# Altium PCB PCB.PcbDoc (part 3 of 5)
Units mm, origin at the board's own origin, x right, y up, seen from the top; angles counter-clockwise.
Board outline 68 x 45 mm, 4 copper layers (Component Side, Ground Layer, Power Layer, Solder Side), stack 0.856 mm thick; 113 components, 124 nets, 534 pads, 247 vias.
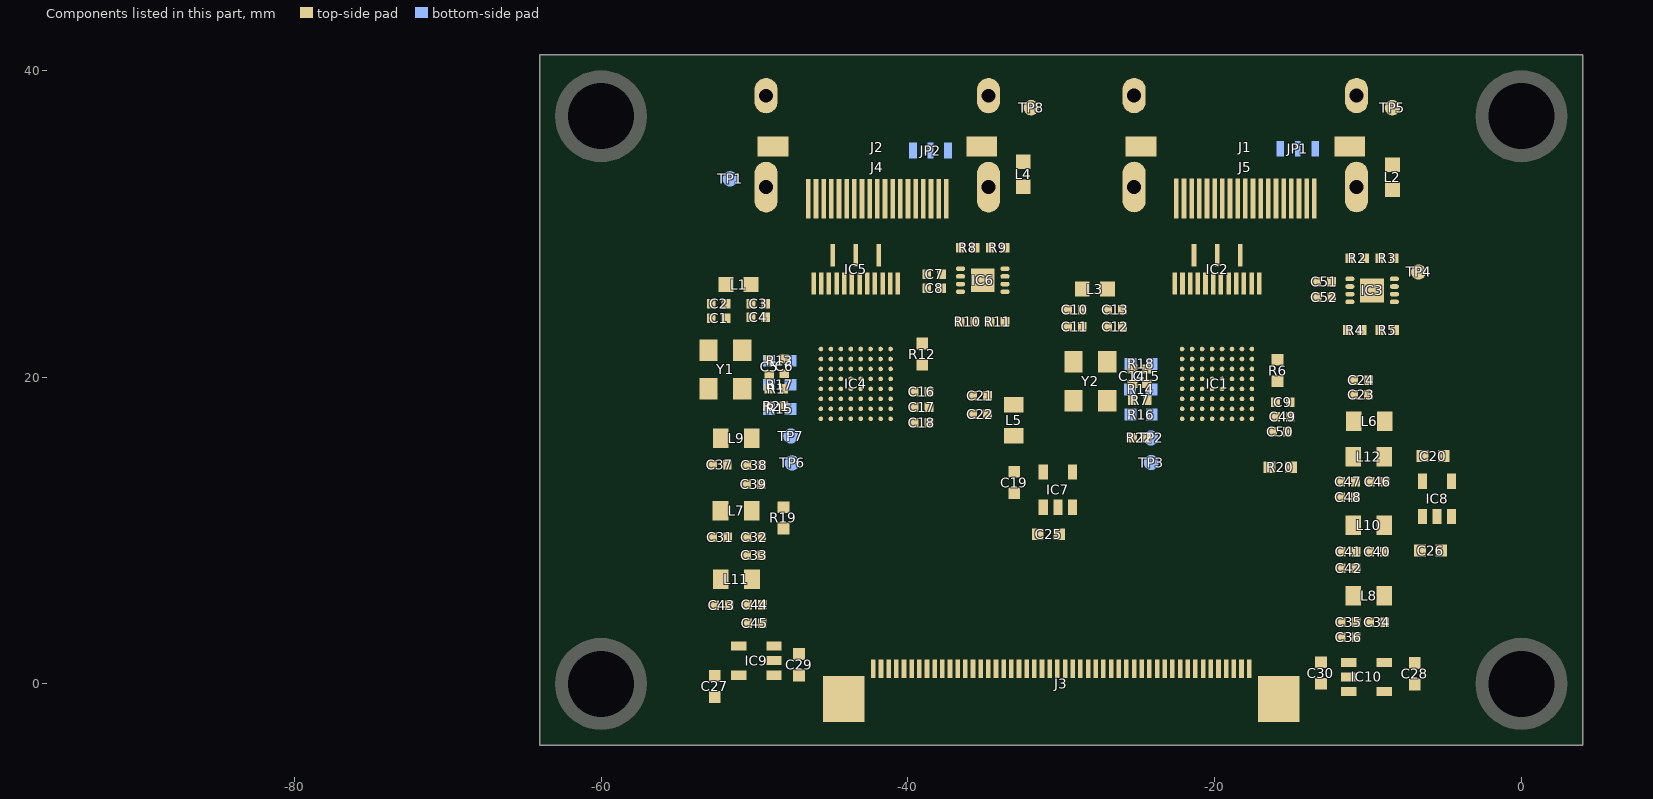
[diagram p5: the components of this part, seen from the top]

## Via types
v1: diameter 0.4, hole 0.15, Component Side to Solder Side, 247 vias

## Nets (pads, with @x,y where several pads share a name; then routed paths per layer and width w, separated by ;. In a path a pad name is that pad's centre, name@x,y a point inside that pad or via, vN(x,y) a via of type N, cw(c..) or ccw(c..) an arc to the next point about the centre after c; other vN are vias at no path point) (continued)
copper on no net: (continued)
  Component Side w0.009: -63.221,7.496 -63.221,8.239 ; -63.212,7.487 -63.212,8.249 ; -63.203,7.487 -63.203,8.249 ; -63.194,7.487 -63.194,8.249 ; -63.185,7.487 -63.185,8.249 ; -63.175,7.487 -63.175,8.249 ; -63.166,7.477 -63.166,8.258 ; -63.157,7.477 -63.157,8.258 ; -63.148,7.477 -63.148,8.258 ; -63.139,7.477 -63.139,8.258 ; -63.13,7.477 -63.13,8.258 ; -63.12,7.477 -63.12,8.258 ; -63.111,7.468 -63.111,8.267 ; -63.102,7.468 -63.102,8.267 ; -63.093,7.468 -63.093,8.267 ; -63.084,7.468 -63.084,8.267 ; -63.074,7.468 -63.074,8.267 ; -63.065,7.459 -63.065,8.276 ; -63.056,7.459 -63.056,8.276 ; -63.056,7.523 -63.056,8.212 ; -63.047,7.459 -63.047,8.276 ; -63.047,7.505 -63.047,8.23 ; -63.038,7.459 -63.038,8.276 ; -63.029,7.459 -63.029,8.276 ; -63.019,7.45 -63.019,8.285 ; -63.01,7.45 -63.01,8.285 ; -63.001,7.45 -63.001,8.285 ; -62.992,7.45 -62.992,8.285 ; -62.983,7.45 -62.983,8.285 ; -62.973,7.45 -62.973,8.285 ; -62.964,7.441 -62.964,8.295 ; -62.955,7.441 -62.955,8.295 ; -62.946,7.441 -62.946,8.295 ; -62.937,7.441 -62.937,8.295 ; -62.928,7.441 -62.928,8.295 ; -62.918,7.431 -62.918,8.304 ; -62.909,7.431 -62.909,8.304 ; -62.9,7.431 -62.9,8.304 ; -62.891,7.431 -62.891,8.304 ; -62.882,7.431 -62.882,8.304 ; -62.872,7.431 -62.872,8.313 ; -62.863,7.422 -62.863,8.313 ; -62.854,7.422 -62.854,8.313 ; -62.845,7.422 -62.845,8.313 ; -62.836,7.422 -62.836,8.313 ; -62.827,7.422 -62.827,8.313 ; -62.817,7.413 -62.817,8.322 ; -62.808,7.413 -62.808,8.322 ; -62.799,7.413 -62.799,8.322 ; -62.79,7.413 -62.79,8.322 ; -62.781,7.413 -62.781,8.322 ; -62.771,7.404 -62.771,8.331 ; -62.762,7.404 -62.762,8.331 ; -62.753,7.404 -62.753,8.331 ; -62.744,7.404 -62.744,8.331 ; -62.735,7.404 -62.735,8.331 ; -62.726,7.404 -62.726,8.331 ; -62.716,7.395 -62.716,8.34 ; -62.707,7.395 -62.707,8.34 ; -62.698,6.192 -62.698,6.238 ; -62.698,7.395 -62.698,8.34 ; -62.698,9.497 -62.698,9.543 ; -62.689,6.183 -62.689,6.256 ; -62.689,7.395 -62.689,8.34 ; -62.689,9.479 -62.689,9.552 ; -62.68,6.174 -62.68,6.265 ; -62.68,7.395 -62.68,8.34 ; -62.68,9.47 -62.68,9.562 ; -62.67,6.164 -62.67,6.284 ; -62.67,7.386 -62.67,8.35 ; -62.67,9.451 -62.67,9.571 ; -62.661,6.155 -62.661,6.293 ; -62.661,7.386 -62.661,8.35 ; -62.661,9.442 -62.661,9.58 ; -62.652,6.146 -62.652,6.311 ; -62.652,7.386 -62.652,8.35 ; -62.652,9.424 -62.652,9.589 ; -62.643,6.137 -62.643,6.32 ; -62.643,7.386 -62.643,8.35 ; -62.643,9.415 -62.643,9.598 ; -62.634,6.128 -62.634,6.33 ; -62.634,7.386 -62.634,8.35 ; -62.634,9.406 -62.634,9.608 ; -62.625,6.118 -62.625,6.348 ; -62.625,7.376 -62.625,8.359 ; -62.625,9.387 -62.625,9.617 ; -62.615,6.109 -62.615,6.357 ; -62.615,7.376 -62.615,8.359 ; -62.615,9.378 -62.615,9.626 ; -62.606,6.1 -62.606,6.376 ; -62.606,7.376 -62.606,8.359 ; -62.606,9.36 -62.606,9.635 ; -62.597,6.091 -62.597,6.385 ; -62.597,7.376 -62.597,8.359 ; -62.597,9.35 -62.597,9.644 ; -62.588,6.082 -62.588,6.403 ; -62.588,7.376 -62.588,8.359 ; -62.588,9.332 -62.588,9.653 ; -62.579,6.073 -62.579,6.412 ; -62.579,7.376 -62.579,8.359 ; -62.579,9.323 -62.579,9.663 ; -62.569,6.063 -62.569,6.431 ; -62.569,7.367 -62.569,8.368 ; -62.569,9.305 -62.569,9.672 ; -62.56,6.054 -62.56,6.44 ; -62.56,7.367 -62.56,8.368 ; -62.56,9.295 -62.56,9.681 ; -62.551,6.045 -62.551,6.458 ; -62.551,7.367 -62.551,8.368 ; -62.551,9.277 -62.551,9.69 ; -62.542,6.036 -62.542,6.467 ; -62.542,7.367 -62.542,8.368 ; -62.542,9.268 -62.542,9.699 ; -62.533,6.027 -62.533,6.477 ; -62.533,7.367 -62.533,8.368 ; -62.533,9.259 -62.533,9.709 ; -62.524,6.017 -62.524,6.495 ; -62.524,7.358 -62.524,8.377 ; -62.524,9.24 -62.524,9.718 ; -62.514,6.008 -62.514,6.504 ; -62.514,7.358 -62.514,8.377 ; -62.514,9.231 -62.514,9.727 ; -62.505,5.999 -62.505,6.522 ; -62.505,7.349 -62.505,8.386 ; -62.505,9.213 -62.505,9.736 ; -62.496,5.99 -62.496,6.532 ; -62.496,7.33 -62.496,8.405 ; -62.496,9.204 -62.496,9.745 ; -62.487,5.981 -62.487,6.55 ; -62.487,7.312 -62.487,8.423 ; -62.487,9.185 -62.487,9.754 ; -62.478,5.972 -62.478,6.559 ; -62.478,7.294 -62.478,8.441 ; -62.478,9.176 -62.478,9.764 ; -62.468,5.962 -62.468,6.578 ; -62.468,7.266 -62.468,8.469 ; -62.468,9.158 -62.468,9.773 ; -62.459,5.953 -62.459,6.587 ; -62.459,7.248 -62.459,8.487 ; -62.459,9.148 -62.459,9.782 ; -62.45,5.944 -62.45,6.605 ; -62.45,7.229 -62.45,8.506 ; -62.45,9.13 -62.45,9.791 ; -62.441,5.935 -62.441,6.614 ; -62.441,7.202 -62.441,8.533 ; -62.441,9.121 -62.441,9.8 ; -62.432,5.926 -62.432,6.633 ; -62.432,7.184 -62.432,8.552 ; -62.432,9.112 -62.432,9.81 ; -62.423,5.916 -62.423,6.642 ; -62.423,7.156 -62.423,8.579 ; -62.423,9.093 -62.423,9.819 ; -62.413,5.907 -62.413,6.651 ; -62.413,7.138 -62.413,8.598 ; -62.413,9.084 -62.413,9.828 ; -62.404,5.898 -62.404,6.669 ; -62.404,7.11 -62.404,8.625 ; -62.404,9.066 -62.404,9.837 ; -62.395,5.889 -62.395,6.679 ; -62.395,7.092 -62.395,8.643 ; -62.395,9.057 -62.395,9.846 ; -62.386,5.88 -62.386,6.697 ; -62.386,7.073 -62.386,8.671 ; -62.386,9.038 -62.386,9.855 ; -62.377,5.871 -62.377,6.706 ; -62.377,7.046 -62.377,8.689 ; -62.377,9.029 -62.377,9.865 ; -62.367,5.861 -62.367,6.724 ; -62.367,7.027 -62.367,8.708 ; -62.367,9.011 -62.367,9.874 ; -62.358,5.852 -62.358,6.734 ; -62.358,7 -62.358,8.735 ; -62.358,9.002 -62.358,9.883 ; -62.349,5.843 -62.349,6.752 ; -62.349,6.982 -62.349,8.754 ; -62.349,8.983 -62.349,9.892 ; -62.34,5.834 -62.34,6.761 ; -62.34,6.954 -62.34,8.781 ; -62.34,8.974 -62.34,9.901 ; -62.331,5.825 -62.331,6.78 ; -62.331,6.936 -62.331,8.8 ; -62.331,8.956 -62.331,9.911 ; -62.322,5.815 -62.322,6.789 ; -62.322,6.908 -62.322,8.827 ; -62.322,8.946 -62.322,9.92 ; -62.312,5.806 -62.312,6.798 ; -62.312,6.89 -62.312,8.845 ; -62.312,8.937 -62.312,9.929 ; -62.303,5.797 -62.303,6.816 ; -62.303,6.871 -62.303,8.864 ; -62.303,8.919 -62.303,9.938 ; -62.294,5.788 -62.294,9.947 ; -62.285,5.779 -62.285,9.956 ; -62.276,5.77 -62.276,9.966 ; -62.266,5.76 -62.266,9.975 ; -62.257,5.751 -62.257,9.984 ; -62.248,5.742 -62.248,9.993 ; -62.239,5.733 -62.239,10.002 ; -62.23,5.724 -62.23,10.012 ; -62.221,5.714 -62.221,10.021 ; -62.211,5.705 -62.211,10.03 ; -62.202,5.705 -62.202,10.03 ; -62.193,5.696 -62.193,10.039 ; -62.184,5.696 -62.184,10.039 ; -62.175,5.705 -62.175,10.03 ; -62.165,5.705 -62.165,10.03 ; -62.156,5.714 -62.156,10.021 ; -62.147,5.724 -62.147,10.012 ; -62.138,5.724 -62.138,10.012 ; -62.129,5.733 -62.129,10.002 ; -62.12,5.742 -62.12,9.993 ; -62.11,5.742 -62.11,9.993 ; -62.101,5.751 -62.101,9.984 ; -62.092,5.76 -62.092,9.975 ; -62.083,5.76 -62.083,9.975 ; -62.074,5.77 -62.074,9.966 ; -62.064,5.779 -62.064,9.956 ; -62.055,5.779 -62.055,9.956 ; -62.046,5.788 -62.046,9.947 ; -62.037,5.797 -62.037,9.938 ; -62.028,5.797 -62.028,9.938 ; -62.019,5.806 -62.019,9.929 ; -62.009,5.815 -62.009,9.92 ; -62,5.825 -62,9.911 ; -61.991,5.825 -61.991,9.911 ; -61.982,5.834 -61.982,9.901 ; -61.973,5.843 -61.973,9.892 ; -61.963,5.843 -61.963,9.892 ; -61.954,5.852 -61.954,9.883 ; -61.945,5.861 -61.945,9.874 ; -61.936,5.861 -61.936,9.874 ; -61.927,5.871 -61.927,9.865 ; -61.918,5.88 -61.918,9.855 ; -61.908,5.88 -61.908,9.855 ; -61.899,5.889 -61.899,9.846 ; -61.89,5.898 -61.89,9.837 ; -61.881,5.898 -61.881,9.837 ; -61.872,5.907 -61.872,9.828 ; -61.862,5.916 -61.862,9.819 ; -61.853,5.916 -61.853,9.819 ; -61.844,5.926 -61.844,9.81 ; -61.835,5.935 -61.835,9.8 ; -61.826,5.944 -61.826,9.791 ; -61.817,5.944 -61.817,9.791 ; -61.807,5.953 -61.807,9.782 ; -61.798,5.962 -61.798,9.773 ; -61.789,5.962 -61.789,9.773 ; -61.78,5.972 -61.78,9.764 ; -61.771,5.981 -61.771,9.754 ; -61.761,5.981 -61.761,9.754 ; -61.752,5.99 -61.752,9.745 ; -61.743,5.999 -61.743,9.736 ; -61.734,5.999 -61.734,9.736 ; -61.725,6.008 -61.725,9.727 ; -61.716,6.017 -61.716,9.718 ; -61.706,6.017 -61.706,9.718 ; -61.697,6.027 -61.697,9.709 ; -61.688,6.036 -61.688,9.699 ; -61.679,6.045 -61.679,9.69 ; -61.67,6.045 -61.67,9.69 ; -61.66,6.054 -61.66,9.681 ; -61.651,6.063 -61.651,9.672 ; -61.642,6.063 -61.642,9.672 ; -61.633,6.073 -61.633,9.663 ; -61.624,6.082 -61.624,9.653 ; -61.615,6.082 -61.615,9.653 ; -61.605,6.091 -61.605,9.644 ; -61.596,6.091 -61.596,9.644 ; -61.587,6.1 -61.587,9.635 ; -61.578,6.1 -61.578,9.635 ; -61.569,6.1 -61.569,9.635 ; -61.559,6.1 -61.559,9.635 ; -61.55,6.091 -61.55,9.644 ; -61.541,6.091 -61.541,9.644 ; -61.532,6.091 -61.532,9.644 ; -61.523,6.082 -61.523,9.653 ; -61.514,6.082 -61.514,9.653 ; -61.504,6.073 -61.504,9.663 ; -61.495,6.073 -61.495,9.663 ; -61.486,6.063 -61.486,9.672 ; -61.477,6.063 -61.477,9.672 ; -61.468,6.063 -61.468,9.672 ; -61.458,6.054 -61.458,9.681 ; -61.449,6.054 -61.449,9.681 ; -61.44,6.045 -61.44,9.69 ; -61.431,6.045 -61.431,9.69 ; -61.422,6.036 -61.422,9.699 ; -61.413,6.036 -61.413,9.699 ; -61.403,6.036 -61.403,9.699 ; -61.394,6.027 -61.394,9.709 ; -61.385,6.027 -61.385,9.709 ; -61.376,6.017 -61.376,9.718 ; -61.367,6.017 -61.367,9.718 ; -61.357,6.008 -61.357,9.727 ; -61.348,6.008 -61.348,9.727 ; -61.339,6.008 -61.339,9.727 ; -61.33,5.999 -61.33,9.736 ; -61.321,5.999 -61.321,9.736 ; -61.312,5.99 -61.312,9.745 ; -61.302,5.99 -61.302,9.745 ; -61.293,5.981 -61.293,7.817 ; -61.293,7.918 -61.293,9.754 ; -61.284,5.981 -61.284,7.744 ; -61.284,7.992 -61.284,9.754 ; -61.275,5.981 -61.275,7.698 ; -61.275,8.037 -61.275,9.754 ; -61.266,5.972 -61.266,7.661 ; -61.266,8.074 -61.266,9.764 ; -61.256,5.972 -61.256,7.624 ; -61.256,8.111 -61.256,9.764 ; -61.247,5.962 -61.247,7.606 ; -61.247,8.129 -61.247,9.773 ; -61.238,5.962 -61.238,7.578 ; -61.238,8.157 -61.238,9.773 ; -61.229,5.962 -61.229,7.56 ; -61.229,8.175 -61.229,9.773 ; -61.22,5.953 -61.22,7.542 ; -61.22,8.194 -61.22,9.782 ; -61.211,5.953 -61.211,7.523 ; -61.211,8.212 -61.211,9.782 ; -61.201,5.944 -61.201,7.505 ; -61.201,8.23 -61.201,9.791 ; -61.192,5.944 -61.192,7.487 ; -61.192,8.249 -61.192,9.791 ; -61.183,5.935 -61.183,7.468 ; -61.183,8.267 -61.183,9.8 ; -61.174,5.935 -61.174,7.459 ; -61.174,8.276 -61.174,9.8 ; -61.165,5.935 -61.165,7.441 ; -61.165,8.295 -61.165,9.8 ; -61.155,5.926 -61.155,7.431 ; -61.155,8.304 -61.155,9.81 ; -61.146,5.926 -61.146,7.413 ; -61.146,8.322 -61.146,9.81 ; -61.137,5.916 -61.137,7.404 ; -61.137,8.331 -61.137,9.819 ; -61.128,5.916 -61.128,7.395 ; -61.128,8.34 -61.128,9.819 ; -61.119,5.907 -61.119,7.376 ; -61.119,8.359 -61.119,9.828 ; -61.11,5.907 -61.11,7.367 ; -61.11,8.368 -61.11,9.828 ; -61.1,5.907 -61.1,7.358 ; -61.1,8.377 -61.1,9.828 ; -61.091,5.898 -61.091,7.349 ; -61.091,8.386 -61.091,9.837 ; -61.082,5.898 -61.082,7.34 ; -61.082,8.396 -61.082,9.837 ; -61.073,5.889 -61.073,7.33 ; -61.073,8.405 -61.073,9.846 ; -61.064,5.889 -61.064,7.321 ; -61.064,8.414 -61.064,9.846 ; -61.054,5.88 -61.054,7.312 ; -61.054,8.423 -61.054,9.855 ; -61.045,5.861 -61.045,7.303 ; -61.045,8.432 -61.045,9.874 ; -61.036,5.843 -61.036,7.294 ; -61.036,8.441 -61.036,9.892 ; -61.027,5.797 -61.027,7.285 ; -61.027,8.451 -61.027,9.938 ; -61.018,5.751 -61.018,7.275 ; -61.018,8.46 -61.018,9.984 ; -61.009,5.696 -61.009,7.275 ; -61.009,8.46 -61.009,10.039 ; -60.999,5.65 -60.999,7.266 ; -60.999,8.469 -60.999,10.085 ; -60.99,5.604 -60.99,7.257 ; -60.99,8.478 -60.99,10.131 ; -60.981,5.549 -60.981,7.248 ; -60.981,8.487 -60.981,10.186 ; -60.972,5.503 -60.972,7.248 ; -60.972,8.487 -60.972,10.232 ; -60.963,5.448 -60.963,7.239 ; -60.963,8.497 -60.963,10.287 ; -60.953,5.402 -60.953,7.229 ; -60.953,8.506 -60.953,10.333 ; -60.944,5.356 -60.944,7.229 ; -60.944,8.506 -60.944,10.379 ; -60.935,5.301 -60.935,7.22 ; -60.935,8.515 -60.935,10.434 ; -60.926,5.255 -60.926,7.211 ; -60.926,8.524 -60.926,10.48 ; -60.917,5.209 -60.917,7.211 ; -60.917,8.524 -60.917,10.526 ; -60.908,5.173 -60.908,7.202 ; -60.908,8.533 -60.908,10.562 ; -60.898,5.164 -60.898,7.202 ; -60.898,8.533 -60.898,10.572 ; -60.889,5.154 -60.889,7.193 ; -60.889,8.542 -60.889,10.581 ; -60.88,5.154 -60.88,7.193 ; -60.88,8.542 -60.88,10.581 ; -60.871,5.154 -60.871,7.184 ; -60.871,8.552 -60.871,10.581 ; -60.862,5.154 -60.862,7.184 ; -60.862,8.552 -60.862,10.581 ; -60.852,5.154 -60.852,7.174 ; -60.852,8.561 -60.852,10.581 ; -60.843,5.154 -60.843,7.174 ; -60.843,8.561 -60.843,10.581 ; -60.834,5.154 -60.834,7.165 ; -60.834,8.57 -60.834,10.581 ; -60.825,5.154 -60.825,7.165 ; -60.825,8.57 -60.825,10.581 ; -60.816,5.154 -60.816,7.156 ; -60.816,8.579 -60.816,10.581 ; -60.807,5.154 -60.807,7.156 ; -60.807,8.579 -60.807,10.581 ; -60.797,5.154 -60.797,7.156 ; -60.797,8.579 -60.797,10.581 ; -60.788,5.154 -60.788,7.147 ; -60.788,8.588 -60.788,10.581 ; -60.779,5.154 -60.779,7.147 ; -60.779,8.588 -60.779,10.581 ; -60.77,5.154 -60.77,7.147 ; -60.77,8.588 -60.77,10.581 ; -60.761,5.154 -60.761,7.138 ; -60.761,8.598 -60.761,10.581 ; -60.751,5.154 -60.751,7.138 ; -60.751,8.598 -60.751,10.581 ; -60.742,5.154 -60.742,7.138 ; -60.742,8.598 -60.742,10.581 ; -60.733,5.154 -60.733,7.128 ; -60.733,8.607 -60.733,10.581 ; -60.724,5.154 -60.724,7.128 ; -60.724,8.607 -60.724,10.581 ; -60.715,5.154 -60.715,7.128 ; -60.715,8.607 -60.715,10.581 ; -60.706,5.154 -60.706,7.128 ; -60.706,8.607 -60.706,10.581 ; -60.696,5.154 -60.696,7.119 ; -60.696,8.616 -60.696,10.581 ; -60.687,5.154 -60.687,7.119 ; -60.687,8.616 -60.687,10.581 ; -60.678,5.154 -60.678,7.119 ; -60.678,8.616 -60.678,10.581 ; -60.669,5.154 -60.669,7.119 ; -60.669,8.616 -60.669,10.581 ; -60.66,5.154 -60.66,7.119 ; -60.66,8.616 -60.66,10.581 ; -60.65,5.154 -60.65,7.119 ; -60.65,8.616 -60.65,10.581 ; -60.641,5.154 -60.641,7.11 ; -60.641,8.625 -60.641,10.581 ; -60.632,5.154 -60.632,7.11 ; -60.632,8.625 -60.632,10.581 ; -60.623,5.154 -60.623,7.11 ; -60.623,8.625 -60.623,10.581 ; -60.614,5.154 -60.614,7.11 ; -60.614,8.625 -60.614,10.581 ; -60.605,5.154 -60.605,7.11 ; -60.605,8.625 -60.605,10.581 ; -60.595,5.154 -60.595,7.11 ; -60.595,8.625 -60.595,10.581 ; -60.586,5.154 -60.586,7.11 ; -60.586,8.625 -60.586,10.581 ; -60.577,5.154 -60.577,7.11 ; -60.577,8.625 -60.577,10.581 ; -60.568,5.154 -60.568,7.11 ; -60.568,8.625 -60.568,10.581 ; -60.559,5.154 -60.559,7.11 ; -60.559,8.625 -60.559,10.581 ; -60.549,5.154 -60.549,7.11 ; -60.549,8.625 -60.549,10.581 ; -60.54,5.154 -60.54,7.11 ; -60.54,8.625 -60.54,10.581 ; -60.531,5.154 -60.531,7.101 ; -60.531,8.634 -60.531,10.581 ; -60.522,5.154 -60.522,7.11 ; -60.522,8.625 -60.522,10.581 ; -60.513,5.154 -60.513,7.11 ; -60.513,8.625 -60.513,10.581 ; -60.503,5.154 -60.503,7.11 ; -60.503,8.625 -60.503,10.581 ; -60.494,5.154 -60.494,7.11 ; -60.494,8.625 -60.494,10.581 ; -60.485,5.154 -60.485,7.11 ; -60.485,8.625 -60.485,10.581 ; -60.476,5.154 -60.476,7.11 ; -60.476,8.625 -60.476,10.581 ; -60.467,5.154 -60.467,7.11 ; -60.467,8.625 -60.467,10.581 ; -60.458,5.154 -60.458,7.11 ; -60.458,8.625 -60.458,10.581 ; -60.448,5.154 -60.448,7.11 ; -60.448,8.625 -60.448,10.581 ; -60.439,5.154 -60.439,7.11 ; -60.439,8.625 -60.439,10.581 ; -60.43,5.154 -60.43,7.11 ; -60.43,8.625 -60.43,10.581 ; -60.421,5.154 -60.421,7.11 ; -60.421,8.625 -60.421,10.581 ; -60.412,5.154 -60.412,7.119 ; -60.412,8.616 -60.412,10.581 ; -60.402,5.154 -60.402,7.119 ; -60.402,8.616 -60.402,10.581 ; -60.393,5.154 -60.393,7.119 ; -60.393,8.616 -60.393,10.581 ; -60.384,5.154 -60.384,7.119 ; -60.384,8.616 -60.384,10.581 ; -60.375,5.154 -60.375,7.119 ; -60.375,8.616 -60.375,10.581 ; -60.366,5.154 -60.366,7.128 ; -60.366,8.607 -60.366,10.581 ; -60.357,5.154 -60.357,7.128 ; -60.357,8.607 -60.357,10.581 ; -60.347,5.154 -60.347,7.128 ; -60.347,8.607 -60.347,10.581 ; -60.338,5.154 -60.338,7.128 ; -60.338,8.607 -60.338,10.581 ; -60.329,5.154 -60.329,7.138 ; -60.329,8.598 -60.329,10.581 ; -60.32,5.154 -60.32,7.138 ; -60.32,8.598 -60.32,10.581 ; -60.311,5.154 -60.311,7.138 ; -60.311,8.598 -60.311,10.581 ; -60.301,5.154 -60.301,7.147 ; -60.301,8.588 -60.301,10.581 ; -60.292,5.154 -60.292,7.147 ; -60.292,8.588 -60.292,10.581 ; -60.283,5.154 -60.283,7.147 ; -60.283,8.588 -60.283,10.581 ; -60.274,5.154 -60.274,7.156 ; -60.274,8.579 -60.274,10.581 ; -60.265,5.154 -60.265,7.156 ; -60.265,8.579 -60.265,10.581 ; -60.256,5.154 -60.256,7.156 ; -60.256,8.579 -60.256,10.581 ; -60.246,5.154 -60.246,7.165 ; -60.246,8.57 -60.246,10.581 ; -60.237,5.154 -60.237,7.165 ; -60.237,8.57 -60.237,10.581 ; -60.228,5.154 -60.228,7.165 ; -60.228,8.57 -60.228,10.581 ; -60.219,5.154 -60.219,7.174 ; -60.219,8.561 -60.219,10.581 ; -60.21,5.154 -60.21,7.174 ; -60.21,8.561 -60.21,10.581 ; -60.2,5.154 -60.2,7.184 ; -60.2,8.552 -60.2,10.581 ; -60.191,5.154 -60.191,7.184 ; -60.191,8.552 -60.191,10.581 ; -60.182,5.164 -60.182,7.193 ; -60.182,8.542 -60.182,10.572 ; -60.173,5.164 -60.173,7.193 ; -60.173,8.542 -60.173,10.572 ; -60.164,5.182 -60.164,7.202 ; -60.164,8.533 -60.164,10.553 ; -60.155,5.219 -60.155,7.202 ; -60.155,8.533 -60.155,10.517 ; -60.145,5.265 -60.145,7.211 ; -60.145,8.524 -60.145,10.471 ; -60.136,5.32 -60.136,7.22 ; -60.136,8.515 -60.136,10.416 ; -60.127,5.366 -60.127,7.22 ; -60.127,8.515 -60.127,10.37 ; -60.118,5.411 -60.118,7.229 ; -60.118,8.506 -60.118,10.324 ; -60.109,5.467 -60.109,7.239 ; -60.109,8.497 -60.109,10.269 ; -60.099,5.512 -60.099,7.239 ; -60.099,8.497 -60.099,10.223 ; -60.09,5.558 -60.09,7.248 ; -60.09,8.487 -60.09,10.177 ; -60.081,5.613 -60.081,7.257 ; -60.081,8.478 -60.081,10.122 ; -60.072,5.659 -60.072,7.257 ; -60.072,8.478 -60.072,10.076 ; -60.063,5.714 -60.063,7.266 ; -60.063,8.469 -60.063,10.021 ; -60.054,5.76 -60.054,7.275 ; -60.054,8.46 -60.054,9.975 ; -60.044,5.806 -60.044,7.285 ; -60.044,8.451 -60.044,9.929 ; -60.035,5.843 -60.035,7.294 ; -60.035,8.441 -60.035,9.892 ; -60.026,5.861 -60.026,7.303 ; -60.026,8.432 -60.026,9.874 ; -60.017,5.861 -60.017,7.303 ; -60.017,8.432 -60.017,9.874 ; -60.008,5.871 -60.008,7.312 ; -60.008,8.423 -60.008,9.865 ; -59.998,5.88 -59.998,7.321 ; -59.998,8.414 -59.998,9.855 ; -59.989,5.88 -59.989,7.33 ; -59.989,8.405 -59.989,9.855 ; -59.98,5.88 -59.98,7.349 ; -59.98,8.386 -59.98,9.855 ; -59.971,5.889 -59.971,7.358 ; -59.971,8.377 -59.971,9.846 ; -59.962,5.889 -59.962,7.367 ; -59.962,8.368 -59.962,9.846 ; -59.953,5.898 -59.953,7.376 ; -59.953,8.359 -59.953,9.837 ; -59.943,5.898 -59.943,7.386 ; -59.943,8.35 -59.943,9.837 ; -59.934,5.898 -59.934,7.395 ; -59.934,8.34 -59.934,9.837 ; -59.925,5.907 -59.925,7.413 ; -59.925,8.322 -59.925,9.828 ; -59.916,5.907 -59.916,7.422 ; -59.916,8.313 -59.916,9.828 ; -59.907,5.916 -59.907,7.431 ; -59.907,8.304 -59.907,9.819 ; -59.898,5.916 -59.898,7.45 ; -59.898,8.285 -59.898,9.819 ; -59.888,5.916 -59.888,7.459 ; -59.888,8.276 -59.888,9.819 ; -59.879,5.926 -59.879,7.468 ; -59.879,8.267 -59.879,9.81 ; -59.87,5.926 -59.87,7.487 ; -59.87,8.249 -59.87,9.81 ; -59.861,5.935 -59.861,7.496 ; -59.861,8.239 -59.861,9.8 ; -59.852,5.935 -59.852,7.514 ; -59.852,8.221 -59.852,9.8 ; -59.842,5.935 -59.842,7.523 ; -59.842,8.212 -59.842,9.8 ; -59.833,5.944 -59.833,7.542 ; -59.833,8.194 -59.833,9.791 ; -59.824,5.944 -59.824,7.551 ; -59.824,8.184 -59.824,9.791 ; -59.815,5.953 -59.815,7.56 ; -59.815,8.175 -59.815,9.782 ; -59.806,5.953 -59.806,7.569 ; -59.806,8.166 -59.806,9.782 ; -59.796,5.953 -59.796,7.569 ; -59.796,8.166 -59.796,9.782 ; -59.787,5.962 -59.787,7.569 ; -59.787,8.166 -59.787,9.773 ; -59.778,5.962 -59.778,7.56 ; -59.778,8.175 -59.778,9.773 ; -59.769,5.972 -59.769,7.56 ; -59.769,8.175 -59.769,9.764 ; -59.76,5.972 -59.76,7.551 ; -59.76,8.184 -59.76,9.764 ; -59.751,5.972 -59.751,7.551 ; -59.751,8.184 -59.751,9.764 ; -59.741,5.981 -59.741,7.551 ; -59.741,8.184 -59.741,9.754 ; -59.732,5.981 -59.732,7.542 ; -59.732,8.194 -59.732,9.754 ; -59.723,5.99 -59.723,7.542 ; -59.723,8.194 -59.723,9.745 ; -59.714,5.99 -59.714,7.532 ; -59.714,8.203 -59.714,9.745 ; -59.705,5.99 -59.705,7.532 ; -59.705,8.203 -59.705,9.745 ; -59.695,5.999 -59.695,7.523 ; -59.695,8.212 -59.695,9.736 ; -59.686,5.999 -59.686,7.523 ; -59.686,8.212 -59.686,9.736 ; -59.677,6.008 -59.677,7.523 ; -59.677,8.212 -59.677,9.727 ; -59.668,6.008 -59.668,7.514 ; -59.668,8.221 -59.668,9.727 ; -59.659,6.008 -59.659,7.514 ; -59.659,8.221 -59.659,9.727 ; -59.65,6.017 -59.65,7.505 ; -59.65,8.23 -59.65,9.718 ; -59.64,6.017 -59.64,7.505 ; -59.64,8.23 -59.64,9.718 ; -59.631,6.027 -59.631,7.505 ; -59.631,8.23 -59.631,9.709 ; -59.622,6.027 -59.622,7.496 ; -59.622,8.239 -59.622,9.709 ; -59.613,6.027 -59.613,7.496 ; -59.613,8.239 -59.613,9.709 ; -59.604,6.036 -59.604,7.487 ; -59.604,8.249 -59.604,9.699 ; -59.594,6.036 -59.594,7.487 ; -59.594,8.249 -59.594,9.699 ; -59.585,6.045 